# KiCad board PiEEG.kicad_pcb (continued)
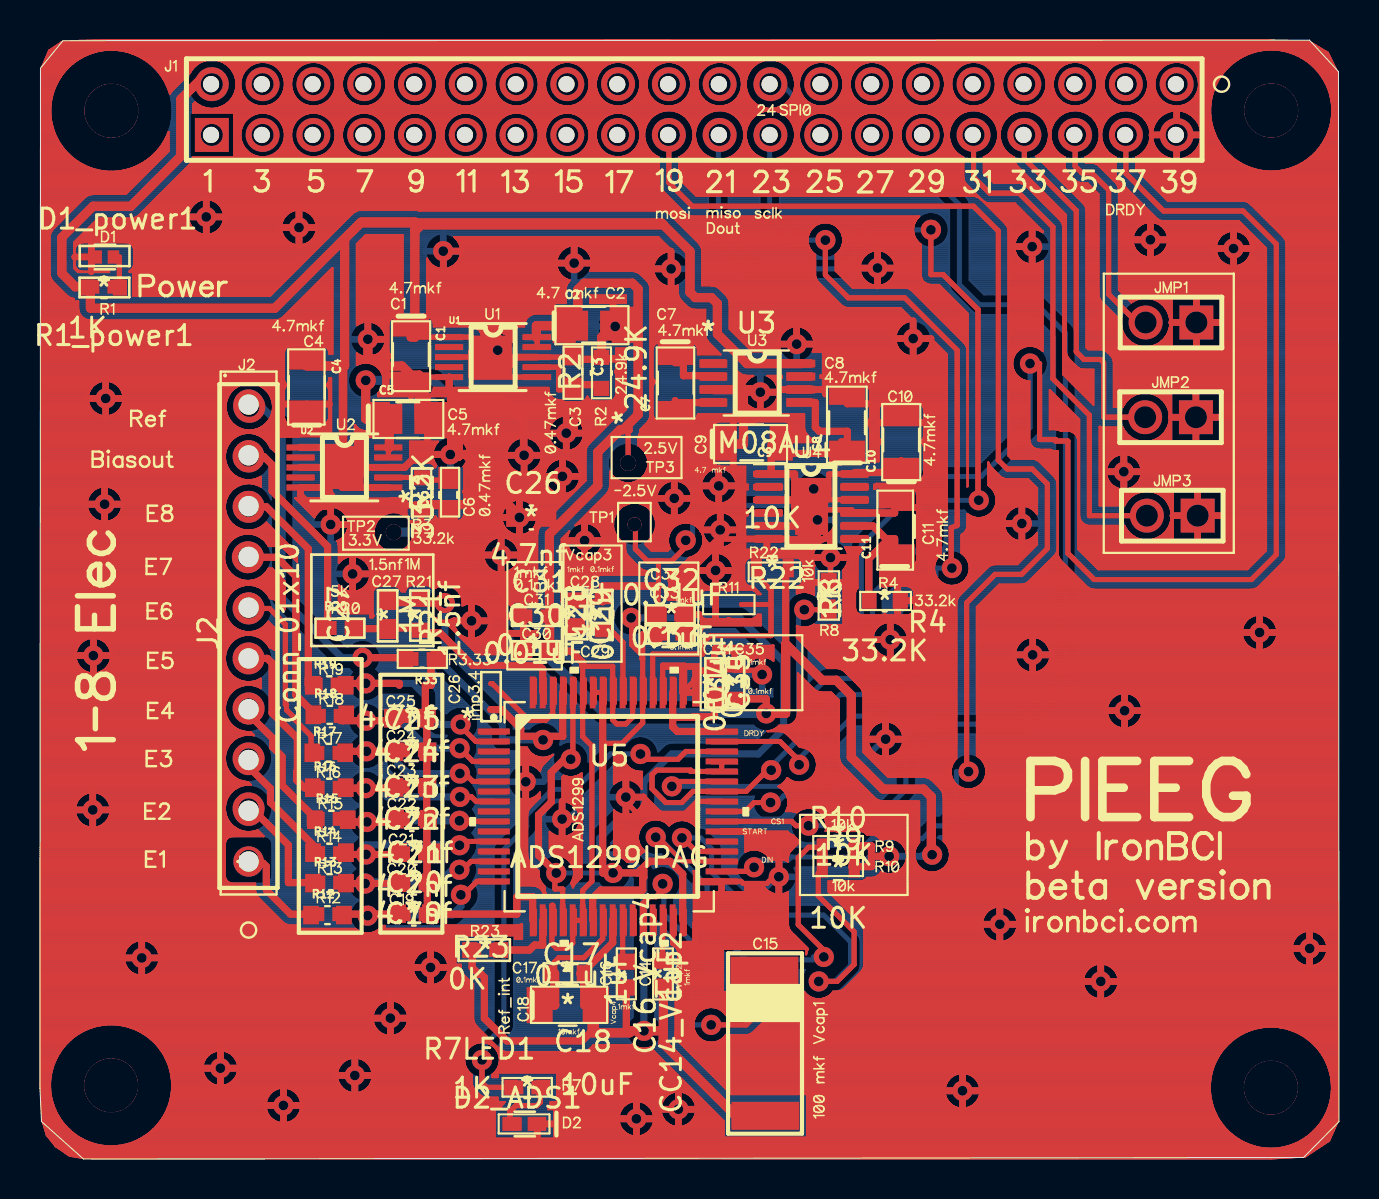
[diagram p0: board, top side]
## Routing (per net, layer and track width the routed paths; a pad name or vN(x,y) marks a point on that pad's centre or on a via; arc(x,y) is an arc through that point) (continued)
45.74,4.21 ; 45.68,4.18 45.74,4.21 ; 10.5,23.73 10.4,23.73 ; 10.5,23.73 10.4,23.73 ; 10.98,33.68 11.05,33.64 ; 10.98,33.68 10.89,33.72 ; 10.98,33.68 11.05,33.64 ; 10.98,33.68 10.89,33.72 ; 11.05,33.64 11.05,34.13 ; 11.05,33.64 11.05,34.13 ; 26.08,50.16 25.98,50.19 ; 26.08,50.16 25.98,50.19 ; 9.71,25.98 9.79,26.04 ; 9.71,25.98 9.79,26.04 ; 14.89,32.57 14.95,32.54 ; 14.89,32.57 14.82,32.59 ; 14.89,32.57 14.95,32.54 ; 14.89,32.57 14.82,32.59 ; 37.42,52.92 37.49,52.99 ; 37.42,52.92 37.49,52.99 ; 46.96,3.06 46.99,3.13 ; 46.96,3.06 46.99,3.13 ; 1.08,55.87 0.46,55.46 ; 1.08,55.87 0.46,55.46 ; 49.06,44.96 49,45.01 ; 49.06,44.96 49,45.01 ; 46.4,52.7 46.3,52.73 ; 46.4,52.7 46.5,52.68 ; 46.4,52.7 46.3,52.73 ; 46.4,52.7 46.5,52.68 ; 46.3,52.73 46.21,52.77 ; 46.3,52.73 46.21,52.77 ; 33.33,28.48 33.92,28.48 ; 33.33,28.48 33.92,28.48 ; 33.33,28.48 33.29,28.48 ; 33.33,28.48 33.29,28.48 ; 33.92,28.48 34.27,28.48 ; 33.92,28.48 34.27,28.48 ; 38.07,20.61 38.12,20.61 ; 38.07,20.61 38.12,20.61 ; 38.12,20.61 38.17,20.6 ; 38.12,20.61 38.17,20.6 ; 30.72,44.81 30.74,44.87 ; 30.72,44.81 30.7,44.74 ; 30.72,44.81 30.7,44.74 ; 30.72,44.81 30.74,44.87 ; 30.74,44.87 30.77,44.94 ; 30.74,44.87 30.77,44.94 ; 15.11,51.08 15.1,51.18 ; 15.11,51.08 15.13,50.99 ; 15.11,51.08 15.1,51.18 ; 15.11,51.08 15.13,50.99 ; 15.1,51.18 15.1,51.28 ; 15.1,51.18 15.1,51.28 ; 14.41,54.61 14.48,54.54 ; 14.41,54.61 14.48,54.54 ; 14.41,54.61 14.33,54.67 ; 14.41,54.61 14.33,54.67 ; 14.48,54.54 14.55,54.47 ; 14.48,54.54 14.55,54.47 ; 17.64,51.18 17.65,51.08 ; 17.64,51.18 17.65,51.08 ; 24.85,35.84 24.9,35.78 ; 24.85,35.84 24.8,35.88 ; 24.85,35.84 24.8,35.88 ; 24.85,35.84 24.9,35.78 ; 24.9,35.78 24.94,35.73 ; 24.9,35.78 24.94,35.73 ; 42.06,37.76 42.09,37.79 ; 42.06,37.76 42.09,37.79 ; 53.32,34.39 53.32,34.46 ; 53.32,34.39 53.32,34.32 ; 53.32,34.39 53.32,34.32 ; 53.32,34.39 53.32,34.46 ; 53.32,34.46 53.33,34.53 ; 53.32,34.46 53.33,34.53 ; 27.46,54.02 27.48,53.92 ; 27.46,54.02 27.44,54.12 ; 27.46,54.02 27.48,53.92 ; 27.46,54.02 27.44,54.12 ; 27.48,53.92 27.49,53.82 ; 27.48,53.92 27.49,53.82 ; 48.77,12.21 48.81,12.14 ; 48.77,12.21 48.81,12.14 ; 48.77,12.21 48.73,12.26 ; 48.77,12.21 48.73,12.26 ; 48.81,12.14 48.83,12.08 ; 48.81,12.14 48.83,12.08 ; 35.62,40.4 34.5,41.53 ; 35.62,40.4 34.5,41.53 ; 4.24,10.34 4.27,10.41 ; 4.24,10.34 4.27,10.41 ; 4.27,10.41 4.3,10.47 ; 4.27,10.41 4.3,10.47 ; 8.33,54.98 8.43,55 ; 8.33,54.98 8.43,55 ; 8.33,54.98 8.24,54.95 ; 8.33,54.98 8.24,54.95 ; 8.43,55 8.53,55.01 ; 8.43,55 8.53,55.01 ; 37.11,39.18 36.38,39.18 ; 37.11,39.18 37.11,39.08 ; 37.11,39.18 37.11,39.08 ; 37.11,39.18 36.38,39.18 ; 58.73,2.45 58.67,2.6 ; 58.73,2.45 58.67,2.6 ; 58.73,2.45 58.78,2.32 ; 58.73,2.45 58.78,2.32 ; 14.95,3.78 14.92,3.85 ; 14.95,3.78 14.92,3.85 ; 14.95,3.78 14.98,3.72 ; 14.95,3.78 14.98,3.72 ; 14.92,3.85 14.9,3.91 ; 14.92,3.85 14.9,3.91 ; 19.82,10.43 19.89,10.41 ; 19.82,10.43 19.89,10.41 ; 1.74,44.73 1.75,44.69 ; 1.74,44.73 1.75,44.69 ; 12.23,38.88 12.21,38.93 ; 12.23,38.88 12.26,38.82 ; 12.23,38.88 12.21,38.93 ; 12.23,38.88 12.26,38.82 ; 12.21,38.93 12.2,38.99 ; 12.21,38.93 12.2,38.99 ; 62.22,6.55 62.37,6.52 ; 62.22,6.55 62.37,6.52 ; 9.31,27.92 9.35,28.01 ; 9.31,27.92 9.35,28.01 ; 9.31,27.92 9.28,27.82 ; 9.31,27.92 9.28,27.82 ; 9.35,28.01 9.39,28.1 ; 9.35,28.01 9.39,28.1 ; 3.22,45.81 3.27,45.83 ; 3.22,45.81 3.2,45.82 ; 3.22,45.81 3.27,45.83 ; 3.22,45.81 3.2,45.82 ; 3.27,45.83 3.33,45.85 ; 3.27,45.83 3.33,45.85 ; 44.3,43.81 44.27,43.83 ; 44.3,43.81 44.33,43.79 ; 44.3,43.81 44.33,43.79 ; 44.3,43.81 44.27,43.83 ; 26.46,35.43 26.39,35.43 ; 26.46,35.43 26.39,35.43 ; 21.78,52.77 21.69,52.73 ; 21.78,52.77 21.69,52.73 ; 21.78,52.77 21.87,52.82 ; 21.78,52.77 21.87,52.82 ; 21.69,52.73 21.59,52.7 ; 21.69,52.73 21.59,52.7 ; 14.27,32.6 14.34,32.61 ; 14.27,32.6 14.34,32.61 ; 8.14,54.92 8.24,54.95 ; 8.14,54.92 8.24,54.95 ; 35.6,52.04 35.67,52.11 ; 35.6,52.04 35.54,51.96 ; 35.6,52.04 35.54,51.96 ; 35.6,52.04 35.67,52.11 ; 35.67,52.11 35.74,52.18 ; 35.67,52.11 35.74,52.18 ; 55.48,51.63 55.51,51.53 ; 55.48,51.63 55.45,51.72 ; 55.48,51.63 55.51,51.53 ; 55.48,51.63 55.45,51.72 ; 21.67,7.09 21.67,8.76 ; 21.67,7.09 21.67,8.76 ; 37.69,50.79 37.65,50.7 ; 37.69,50.79 37.72,50.89 ; 37.69,50.79 37.72,50.89 ; 37.69,50.79 37.65,50.7 ; 37.65,50.7 37.6,50.61 ; 37.65,50.7 37.6,50.61 ; 37.34,21.28 37.31,21.3 ; 37.34,21.28 37.31,21.3 ; 61.36,0.52 61.21,0.54 ; 61.36,0.52 61.21,0.54 ; 61.36,0.52 61.51,0.52 ; 61.36,0.52 61.51,0.52 ; 61.21,0.54 61.07,0.56 ; 61.21,0.54 61.07,0.56 ; 22.7,4.29 22.67,4.26 ; 22.7,4.29 22.67,4.26 ; 12.94,50.4 12.87,50.46 ; 12.94,50.4 12.87,50.46 ; 12.94,50.4 13.02,50.33 ; 12.94,50.4 13.02,50.33 ; 12.87,50.46 12.8,50.54 ; 12.87,50.46 12.8,50.54 ; 19.47,31.88 19.43,31.88 ; 19.47,31.88 19.43,31.88 ; 19.47,31.88 19.51,31.89 ; 19.47,31.88 19.51,31.89 ; 19.43,31.88 18.83,31.88 ; 19.43,31.88 18.83,31.88 ; 24.15,36.1 24.22,36.1 ; 24.15,36.1 24.22,36.1 ; 33.04,23.82 33.02,23.85 ; 33.04,23.82 33.06,23.78 ; 33.04,23.82 33.06,23.78 ; 33.04,23.82 33.02,23.85 ; 33.02,23.85 33.01,23.89 ; 33.02,23.85 33.01,23.89 ; 43.38,33.87 43.34,33.85 ; 43.38,33.87 43.42,33.9 ; 43.38,33.87 43.34,33.85 ; 43.38,33.87 43.42,33.9 ; 43.34,33.85 43.3,33.83 ; 43.34,33.85 43.3,33.83 ; 8.74,3.7 8.81,3.68 ; 8.74,3.7 8.81,3.68 ; 61.34,55.5 61.49,55.51 ; 61.34,55.5 61.49,55.51 ; 46.01,4.29 46.08,4.3 ; 46.01,4.29 46.08,4.3 ; 46.08,4.3 46.15,4.3 ; 46.08,4.3 46.15,4.3 ; 25.46,36.53 25.48,36.6 ; 25.46,36.53 25.44,36.46 ; 25.46,36.53 25.48,36.6 ; 25.46,36.53 25.44,36.46 ; 25.48,36.6 25.5,36.66 ; 25.48,36.6 25.5,36.66 ; 33.85,36.87 33.89,36.88 ; 33.85,36.87 33.89,36.88 ; 20.9,54.82 21,54.85 ; 20.9,54.82 20.81,54.78 ; 20.9,54.82 20.81,54.78 ; 20.9,54.82 21,54.85 ; 21,54.85 21.1,54.87 ; 21,54.85 21.1,54.87 ; 49.79,35.01 49.83,35 ; 49.79,35.01 49.76,35.02 ; 49.79,35.01 49.76,35.02 ; 49.79,35.01 49.83,35 ; 49.83,35 49.87,34.98 ; 49.83,35 49.87,34.98 ; 26.48,54.88 26.57,54.87 ; 26.48,54.88 26.38,54.89 ; 26.48,54.88 26.38,54.89 ; 26.48,54.88 26.57,54.87 ; 26.57,54.87 26.67,54.85 ; 26.57,54.87 26.67,54.85 ; 44.08,35.88 44.12,35.83 ; 44.08,35.88 44.12,35.83 ; 52.53,8.17 52.47,8.21 ; 52.53,8.17 52.59,8.13 ; 52.53,8.17 52.47,8.21 ; 52.53,8.17 52.59,8.13 ; 52.47,8.21 52.42,8.26 ; 52.47,8.21 52.42,8.26 ; 45.22,54.12 45.24,54.02 ; 45.22,54.12 45.24,54.02 ; 9.31,15.97 9.34,16.02 ; 9.31,15.97 9.28,15.91 ; 9.31,15.97 9.34,16.02 ; 9.31,15.97 9.28,15.91 ; 9.34,16.02 9.38,16.06 ; 9.34,16.02 9.38,16.06 ; 39.57,23.34 39.12,23.34 ; 39.57,23.34 39.12,23.34 ; 32.97,28.16 32.98,28.2 ; 32.97,28.16 32.96,28.12 ; 32.97,28.16 32.96,28.12 ; 32.97,28.16 32.98,28.2 ; 32.98,28.2 32.99,28.24 ; 32.98,28.2 32.99,28.24 ; 56.21,52.28 56.27,52.32 ; 56.21,52.28 56.27,52.32 ; 56.27,52.32 56.35,52.36 ; 56.27,52.32 56.35,52.36 ; 43.68,46.59 43.69,46.64 ; 43.68,46.59 43.67,46.54 ; 43.68,46.59 43.67,46.54 ; 43.68,46.59 43.69,46.64 ; 37.68,17.4 37.72,17.39 ; 37.68,17.4 37.72,17.39 ; 37.72,17.39 37.76,17.38 ; 37.72,17.39 37.76,17.38 ; 17.01,40.36 16.96,40.32 ; 17.01,40.36 17.06,40.41 ; 17.01,40.36 17.06,40.41 ; 17.01,40.36 16.96,40.32 ; 16.96,40.32 16.9,40.27 ; 16.96,40.32 16.9,40.27 ; 26.7,14.46 26.69,14.51 ; 26.7,14.46 26.69,14.51 ; 32.52,32.64 32.48,32.58 ; 32.52,32.64 32.55,32.7 ; 32.52,32.64 32.48,32.58 ; 32.52,32.64 32.55,32.7 ; 32.48,32.58 32.44,32.52 ; 32.48,32.58 32.44,32.52 ; 39.88,52 39.95,51.93 ; 39.88,52 39.95,51.93 ; 53.46,22.84 53.49,22.9 ; 53.46,22.84 53.49,22.9 ; 53.46,22.84 53.43,22.78 ; 53.46,22.84 53.43,22.78 ; 53.49,22.9 53.53,22.96 ; 53.49,22.9 53.53,22.96 ; 21.66,27.81 21.59,27.81 ; 21.66,27.81 21.59,27.81 ; 59.17,1.68 59.08,1.8 ; 59.17,1.68 59.27,1.56 ; 59.17,1.68 59.27,1.56 ; 59.17,1.68 59.08,1.8 ; 59.08,1.8 59,1.92 ; 59.08,1.8 59,1.92 ; 37.09,18.73 37.05,18.7 ; 37.09,18.73 37.05,18.7 ; 37.09,18.73 37.13,18.76 ; 37.09,18.73 37.13,18.76 ; 37.05,18.7 37.01,18.67 ; 37.05,18.7 37.01,18.67 ; 25.5,36.66 25.53,36.73 ; 25.5,36.66 25.53,36.73 ; 25.53,36.73 25.57,36.79 ; 25.53,36.73 25.57,36.79 ; 34.48,30.71 34.54,30.75 ; 34.48,30.71 34.54,30.75 ; 19.64,35.23 19.64,35.3 ; 19.64,35.23 19.64,35.16 ; 19.64,35.23 19.64,35.3 ; 19.64,35.23 19.64,35.16 ; 19.64,35.3 19.64,35.37 ; 19.64,35.3 19.64,35.37 ; 15.75,35.6 15.75,35.55 ; 15.75,35.6 15.75,35.55 ; 11.33,2.96 11.36,3.03 ; 11.33,2.96 11.31,2.9 ; 11.33,2.96 11.31,2.9 ; 11.33,2.96 11.36,3.03 ; 11.36,3.03 11.39,3.09 ; 11.36,3.03 11.39,3.09 ; 54.16,41.39 54.12,41.48 ; 54.16,41.39 54.12,41.48 ; 54.16,41.39 54.2,41.3 ; 54.16,41.39 54.2,41.3 ; 54.12,41.48 54.1,41.58 ; 54.12,41.48 54.1,41.58 ; 15.68,30.16 15.75,30.16 ; 15.68,30.16 15.75,30.16 ; 15.68,30.16 15.61,30.16 ; 15.68,30.16 15.61,30.16 ; 15.75,30.16 15.82,30.14 ; 15.75,30.16 15.82,30.14 ; 1.69,1.27 1.58,1.36 ; 1.69,1.27 1.81,1.18 ; 1.69,1.27 1.81,1.18 ; 1.69,1.27 1.58,1.36 ; 1.58,1.36 1.46,1.46 ; 1.58,1.36 1.46,1.46 ; 63.85,11.36 63.92,11.33 ; 63.85,11.36 63.92,11.33 ; 63.92,11.33 63.98,11.29 ; 63.92,11.33 63.98,11.29 ; 27.43,53.43 27.4,53.34 ; 27.43,53.43 27.4,53.34 ; 27.43,53.43 27.46,53.53 ; 27.43,53.43 27.46,53.53 ; 27.4,53.34 27.36,53.25 ; 27.4,53.34 27.36,53.25 ; 18.01,28.54 18.05,28.49 ; 18.01,28.54 17.97,28.58 ; 18.01,28.54 17.97,28.58 ; 18.01,28.54 18.05,28.49 ; 18.05,28.49 18.07,28.43 ; 18.05,28.49 18.07,28.43 ; 30.2,16.77 30.17,16.73 ; 30.2,16.77 30.17,16.73 ; 10.78,36.49 10.68,36.47 ; 10.78,36.49 10.87,36.52 ; 10.78,36.49 10.68,36.47 ; 10.78,36.49 10.87,36.52 ; 10.68,36.47 10.58,36.45 ; 10.68,36.47 10.58,36.45 ; 11.96,1.82 12.03,1.8 ; 11.96,1.82 12.03,1.8 ; 22.62,41.31 22.68,41.33 ; 22.62,41.31 22.55,41.29 ; 22.62,41.31 22.55,41.29 ; 22.62,41.31 22.68,41.33 ; 22.68,41.33 22.75,41.35 ; 22.68,41.33 22.75,41.35 ; 23.28,39.66 23.22,39.63 ; 23.28,39.66 23.22,39.63 ; 23.28,39.66 23.35,39.7 ; 23.28,39.66 23.35,39.7 ; 23.22,39.63 23.2,39.63 ; 23.22,39.63 23.2,39.63 ; 21.38,27.79 21.45,27.81 ; 21.38,27.79 21.32,27.77 ; 21.38,27.79 21.45,27.81 ; 21.38,27.79 21.32,27.77 ; 21.45,27.81 21.52,27.81 ; 21.45,27.81 21.52,27.81 ; 33.12,45.46 33.12,45.36 ; 33.12,45.46 33.12,45.36 ; 47.44,34.85 47.43,34.85 ; 47.44,34.85 47.43,34.85 ; 47.43,34.85 47.43,33.71 ; 47.43,34.85 47.43,33.71 ; 14.38,40.57 14.41,40.52 ; 14.38,40.57 14.41,40.52 ; 14.41,40.52 14.44,40.47 ; 14.41,40.52 14.44,40.47 ; 32.8,2.27 32.81,2.34 ; 32.8,2.27 32.81,2.34 ; 45.71,28.68 45.66,28.67 ; 45.71,28.68 45.76,28.69 ; 45.71,28.68 45.66,28.67 ; 45.71,28.68 45.76,28.69 ; 45.66,28.67 45.61,28.67 ; 45.66,28.67 45.61,28.67 ; 1.81,1.18 1.94,1.1 ; 1.81,1.18 1.94,1.1 ; 31.04,32.48 31,32.54 ; 31.04,32.48 31,32.54 ; 31.04,32.48 31.09,32.43 ; 31.04,32.48 31.09,32.43 ; 31,32.54 30.96,32.6 ; 31,32.54 30.96,32.6 ; 33,29.86 33.03,29.92 ; 33,29.86 32.97,29.79 ; 33,29.86 32.97,29.79 ; 33,29.86 33.03,29.92 ; 33.03,29.92 33.07,29.98 ; 33.03,29.92 33.07,29.98 ; 23.18,52.14 23.26,52.19 ; 23.18,52.14 23.1,52.07 ; 23.18,52.14 23.1,52.07 ; 23.18,52.14 23.26,52.19 ; 23.26,52.19 23.35,52.24 ; 23.26,52.19 23.35,52.24 ; 1.88,17.94 1.92,18 ; 1.88,17.94 1.92,18 ; 1.92,18 1.97,18.05 ; 1.92,18 1.97,18.05 ; 62.83,0.79 62.69,0.73 ; 62.83,0.79 62.69,0.73 ; 38.83,19.98 38.84,19.93 ; 38.83,19.98 38.84,19.93 ; 34.91,31.54 34.92,31.47 ; 34.91,31.54 34.92,31.47 ; 34.92,31.47 34.92,31.46 ; 34.92,31.47 34.92,31.46 ; 9.49,19.33 9.43,19.41 ; 9.49,19.33 9.56,19.25 ; 9.49,19.33 9.56,19.25 ; 9.49,19.33 9.43,19.41 ; 9.43,19.41 9.38,19.5 ; 9.43,19.41 9.38,19.5 ; 48.48,12.5 48.54,12.46 ; 48.48,12.5 48.42,12.54 ; 48.48,12.5 48.54,12.46 ; 48.48,12.5 48.42,12.54 ; 48.54,12.46 48.59,12.42 ; 48.54,12.46 48.59,12.42 ; 9.81,53.57 9.79,53.48 ; 9.81,53.57 9.83,53.67 ; 9.81,53.57 9.79,53.48 ; 9.81,53.57 9.83,53.67 ; 22.18,30.16 22.17,30.23 ; 22.18,30.16 22.18,30.09 ; 22.18,30.16 22.18,30.09 ; 22.18,30.16 22.17,30.23 ; 22.17,30.23 22.18,30.3 ; 22.17,30.23 22.18,30.3 ; 28.89,17.31 28.83,17.35 ; 28.89,17.31 28.96,17.28 ; 28.89,17.31 28.96,17.28 ; 28.89,17.31 28.83,17.35 ; 28.83,17.35 28.77,17.39 ; 28.83,17.35 28.77,17.39 ; 44.74,29.36 44.73,29.41 ; 44.74,29.36 44.73,29.41 ; 44.73,29.41 44.73,29.46 ; 44.73,29.41 44.73,29.46 ; 24.53,20.34 24.5,20.37 ; 24.53,20.34 24.5,20.37 ; 24.53,20.34 24.57,20.3 ; 24.53,20.34 24.57,20.3 ; 24.5,20.37 24.47,20.41 ; 24.5,20.37 24.47,20.41 ; 8.3,4.03 8.26,4.09 ; 8.3,4.03 8.26,4.09 ; 42.07,17.9 42.03,17.91 ; 42.07,17.9 42.12,17.9 ; 42.07,17.9 42.03,17.91 ; 42.07,17.9 42.12,17.9 ; 45.86,2.57 45.93,2.55 ; 45.86,2.57 45.93,2.55 ; 12.39,40.65 12.44,40.68 ; 12.39,40.65 12.34,40.61 ; 12.39,40.65 12.44,40.68 ; 12.39,40.65 12.34,40.61 ; 12.44,40.68 12.5,40.7 ; 12.44,40.68 12.5,40.7 ; 32.91,13.36 32.91,14.41 ; 32.91,13.36 35.28,13.36 ; 32.91,13.36 35.28,13.36 ; 32.91,13.36 32.91,14.41 ; 42.07,15.97 42.08,15.95 ; 42.07,15.97 42.04,16 ; 42.07,15.97 42.08,15.95 ; 42.07,15.97 42.04,16 ; 42.08,15.95 42.13,15.97 ; 42.08,15.95 42.13,15.97 ; 51.89,36.12 51.9,36.08 ; 51.89,36.12 51.9,36.08 ; 51.89,36.12 51.87,36.15 ; 51.89,36.12 51.87,36.15 ; 51.9,36.08 51.91,36.04 ; 51.9,36.08 51.91,36.04 ; 8.63,52.54 8.53,52.54 ; 8.63,52.54 8.73,52.55 ; 8.63,52.54 8.53,52.54 ; 8.63,52.54 8.73,52.55 ; 34.67,33.14 34.62,33.09 ; 34.67,33.14 34.71,33.2 ; 34.67,33.14 34.62,33.09 ; 34.67,33.14 34.71,33.2 ; 37.9,22.2 37.89,22.15 ; 37.9,22.2 37.89,22.15 ; 37.89,22.15 37.88,22.1 ; 37.89,22.15 37.88,22.1 ; 20.78,11.19 23.75,11.19 ; 20.78,11.19 20.78,9.72 ; 20.78,11.19 20.78,9.72 ; 20.78,11.19 23.75,11.19 ; 23.75,11.19 23.75,11.02 ; 23.75,11.19 23.75,11.02 ; 51.91,48.86 51.88,48.88 ; 51.91,48.86 51.88,48.88 ; 51.88,48.88 51.84,48.9 ; 51.88,48.88 51.84,48.9 ; 10.33,54.54 10.4,54.61 ; 10.33,54.54 10.4,54.61 ; 23.26,54.73 23.35,54.78 ; 23.26,54.73 23.18,54.68 ; 23.26,54.73 23.18,54.68 ; 23.26,54.73 23.35,54.78 ; 23.35,54.78 23.44,54.82 ; 23.35,54.78 23.44,54.82 ; 46.33,31.46 46.35,31.5 ; 46.33,31.46 46.35,31.5 ; 44.72,14.34 44.67,14.33 ; 44.72,14.34 44.77,14.35 ; 44.72,14.34 44.67,14.33 ; 44.72,14.34 44.77,14.35 ; 44.67,14.33 44.62,14.33 ; 44.67,14.33 44.62,14.33 ; 25.84,44.97 25.83,44.9 ; 25.84,44.97 25.83,44.9 ; 27.44,28.61 27.39,28.65 ; 27.44,28.61 27.39,28.65 ; 36.88,38.62 36.9,38.56 ; 36.88,38.62 36.9,38.56 ; 36.9,38.56 36.91,38.49 ; 36.9,38.56 36.91,38.49 ; 28.11,54.54 28.04,54.47 ; 28.11,54.54 28.04,54.47 ; 28.71,17.44 28.71,15.2 ; 28.71,17.44 28.71,15.2 ; 28.71,17.44 28.72,17.43 ; 28.71,17.44 28.72,17.43 ; 28.71,15.2 28.76,15.2 ; 28.71,15.2 28.76,15.2 ; 40.83,28.48 40.86,28.53 ; 40.83,28.48 40.8,28.43 ; 40.83,28.48 40.8,28.43 ; 40.83,28.48 40.86,28.53 ; 40.86,28.53 40.88,28.56 ; 40.86,28.53 40.88,28.56 ; 18.27,52.24 18.36,52.28 ; 18.27,52.24 18.18,52.19 ; 18.27,52.24 18.36,52.28 ; 18.27,52.24 18.18,52.19 ; 18.36,52.28 18.46,52.31 ; 18.36,52.28 18.46,52.31 ; 16.23,41.89 16.3,41.9 ; 16.23,41.89 16.3,41.9 ; 16.23,41.89 16.16,41.87 ; 16.23,41.89 16.16,41.87 ; 41.04,54.73 41.13,54.78 ; 41.04,54.73 40.96,54.68 ; 41.04,54.73 40.96,54.68 ; 41.04,54.73 41.13,54.78 ; 41.13,54.78 41.22,54.82 ; 41.13,54.78 41.22,54.82 ; 20.07,10.3 20.12,10.26 ; 20.07,10.3 20.12,10.26 ; 20.07,10.3 20.01,10.34 ; 20.07,10.3 20.01,10.34 ; 9.42,37.08 9.38,37.17 ; 9.42,37.08 9.38,37.17 ; 23.35,52.24 23.44,52.28 ; 23.35,52.24 23.44,52.28 ; 23.44,52.28 23.54,52.31 ; 23.44,52.28 23.54,52.31 ; 14.7,33.23 14.67,33.27 ; 14.7,33.23 14.67,33.27 ; 31.79,32.16 31.72,32.16 ; 31.79,32.16 31.72,32.16 ; 31.56,54.88 31.65,54.87 ; 31.56,54.88 31.65,54.87 ; 31.56,54.88 31.46,54.89 ; 31.56,54.88 31.46,54.89 ; 31.65,54.87 31.75,54.85 ; 31.65,54.87 31.75,54.85 ; 56.46,54.82 56.56,54.85 ; 56.46,54.82 56.56,54.85 ; 56.46,54.82 56.37,54.78 ; 56.46,54.82 56.37,54.78 ; 56.56,54.85 56.66,54.87 ; 56.56,54.85 56.66,54.87 ; 41.22,11.49 41.23,11.45 ; 41.22,11.49 41.21,11.53 ; 41.22,11.49 41.21,11.53 ; 41.22,11.49 41.23,11.45 ; 41.23,11.45 41.23,11.41 ; 41.23,11.45 41.23,11.41 ; 40.59,54.21 40.63,54.3 ; 40.59,54.21 40.63,54.3 ; 42.42,54.54 42.49,54.47 ; 42.42,54.54 42.35,54.61 ; 42.42,54.54 42.35,54.61 ; 42.42,54.54 42.49,54.47 ; 42.49,54.47 42.55,54.39 ; 42.49,54.47 42.55,54.39 ; 25.1,35.34 25.08,35.41 ; 25.1,35.34 25.08,35.41 ; 4.7,44.75 4.69,44.69 ; 4.7,44.75 4.69,44.69 ; 4.7,44.75 4.7,45.38 ; 4.7,44.75 4.7,45.38 ; 4.69,44.69 4.67,44.63 ; 4.69,44.69 4.67,44.63 ; 2.2,24.43 2.14,24.47 ; 2.2,24.43 2.26,24.4 ; 2.2,24.43 2.26,24.4 ; 2.2,24.43 2.14,24.47 ; 2.14,24.47 2.08,24.51 ; 2.14,24.47 2.08,24.51 ; 9.73,54.26 9.68,54.35 ; 9.73,54.26 9.68,54.35 ; 26.18,28.54 26.22,28.59 ; 26.18,28.54 26.22,28.59 ; 26.18,28.54 26.15,28.49 ; 26.18,28.54 26.15,28.49 ; 26.22,28.59 26.26,28.63 ; 26.22,28.59 26.26,28.63 ; 4.12,32.68 4.12,32.75 ; 4.12,32.68 4.12,32.75 ; 44.03,40.23 43.96,40.2 ; 44.03,40.23 44.09,40.26 ; 44.03,40.23 43.96,40.2 ; 44.03,40.23 44.09,40.26 ; 43.96,40.2 43.89,40.18 ; 43.96,40.2 43.89,40.18 ; 22.32,51.67 22.28,51.76 ; 22.32,51.67 22.28,51.76 ; 38.03,26.61 37.98,26.62 ; 38.03,26.61 38.08,26.6 ; 38.03,26.61 38.08,26.6 ; 38.03,26.61 37.98,26.62 ; 37.98,26.62 37.94,26.64 ; 37.98,26.62 37.94,26.64 ; 38.5,46.4 38.53,46.44 ; 38.5,46.4 38.53,46.44 ; 9.74,34.18 9.66,34.25 ; 9.74,34.18 9.82,34.13 ; 9.74,34.18 9.82,34.13 ; 9.74,34.18 9.66,34.25 ; 55.64,51.05 55.63,51.13 ; 55.64,51.05 55.65,50.97 ; 55.64,51.05 55.63,51.13 ; 55.64,51.05 55.65,50.97 ; 55.63,51.13 55.62,51.21 ; 55.63,51.13 55.62,51.21 ; 42.2,28.64 42.23,28.63 ; 42.2,28.64 42.14,28.66 ; 42.2,28.64 42.14,28.66 ; 42.2,28.64 42.23,28.63 ; 42.23,28.63 42.26,28.61 ; 42.23,28.63 42.26,28.61 ; 49.04,40.55 49.09,40.58 ; 49.04,40.55 49,40.52 ; 49.04,40.55 49.09,40.58 ; 49.04,40.55 49,40.52 ; 49.09,40.58 49.13,40.6 ; 49.09,40.58 49.13,40.6 ; 29.7,19.44 29.65,19.46 ; 29.7,19.44 29.74,19.42 ; 29.7,19.44 29.65,19.46 ; 29.7,19.44 29.74,19.42 ; 29.65,19.46 29.6,19.48 ; 29.65,19.46 29.6,19.48 ; 18.89,47.47 18.94,47.46 ; 18.89,47.47 18.84,47.48 ; 18.89,47.47 18.94,47.46 ; 18.89,47.47 18.84,47.48 ; 24.04,31.21 23.97,31.21 ; 24.04,31.21 24.11,31.22 ; 24.04,31.21 23.97,31.21 ; 24.04,31.21 24.11,31.22 ; 23.97,31.21 23.9,31.21 ; 23.97,31.21 23.9,31.21 ; 43.26,43.6 43.3,43.6 ; 43.26,43.6 43.3,43.6 ; 48.73,45.63 48.74,45.7 ; 48.73,45.63 48.74,45.7 ; 48.73,45.63 48.74,45.56 ; 48.73,45.63 48.74,45.56 ; 48.74,45.7 48.74,45.77 ; 48.74,45.7 48.74,45.77 ; 11.45,25.65 11.48,25.6 ; 11.45,25.65 11.48,25.6 ; 11.48,25.6 11.55,25.58 ; 11.48,25.6 11.55,25.58 ; 43.23,15.62 43.25,15.58 ; 43.23,15.62 43.25,15.58 ; 38.66,26.7 38.62,26.68 ; 38.66,26.7 38.72,26.74 ; 38.66,26.7 38.72,26.74 ; 38.66,26.7 38.62,26.68 ; 38.62,26.68 38.57,26.66 ; 38.62,26.68 38.57,26.66 ; 17.38,6.17 17.31,6.18 ; 17.38,6.17 17.31,6.18 ; 40.15,24.47 40.19,24.45 ; 40.15,24.47 40.1,24.5 ; 40.15,24.47 40.19,24.45 ; 40.15,24.47 40.1,24.5 ; 40.19,24.45 40.22,24.42 ; 40.19,24.45 40.22,24.42 ; 33.16,30.71 33.14,30.66 ; 33.16,30.71 33.17,30.75 ; 33.16,30.71 33.17,30.75 ; 33.16,30.71 33.14,30.66 ; 33.14,30.66 33.12,30.61 ; 33.14,30.66 33.12,30.61 ; 33.06,33.75 33.07,33.82 ; 33.06,33.75 33.07,33.82 ; 33.06,33.75 33.06,33.68 ; 33.06,33.75 33.06,33.68 ; 31.45,28.45 31.44,28.42 ; 31.45,28.45 31.47,28.5 ; 31.45,28.45 31.44,28.42 ; 31.45,28.45 31.47,28.5 ; 31.44,28.42 31.42,27.97 ; 31.44,28.42 31.42,27.97 ; 12.25,28.91 11.61,29.55 ; 12.25,28.91 11.61,29.55 ; 27.99,54.39 28.04,54.47 ; 27.99,54.39 28.04,54.47 ; 27.99,54.39 27.93,54.3 ; 27.99,54.39 27.93,54.3 ; 49.05,39.04 49.09,39.02 ; 49.05,39.04 49.09,39.02 ; 23.42,34.81 23.39,34.87 ; 23.42,34.81 23.45,34.75 ; 23.42,34.81 23.39,34.87 ; 23.42,34.81 23.45,34.75 ; 23.39,34.87 23.36,34.94 ; 23.39,34.87 23.36,34.94 ; 64.16,1.96 64.24,2.09 ; 64.16,1.96 64.24,2.09 ; 6.13,5.33 6.21,5.2 ; 6.13,5.33 6.05,5.45 ; 6.13,5.33 6.21,5.2 ; 6.13,5.33 6.05,5.45 ; 6.21,5.2 6.28,5.07 ; 6.21,5.2 6.28,5.07 ; 49.76,40.65 49.81,40.64 ; 49.76,40.65 49.72,40.67 ; 49.76,40.65 49.81,40.64 ; 49.76,40.65 49.72,40.67 ; 49.81,40.64 49.86,40.62 ; 49.81,40.64 49.86,40.62 ; 36.96,54.93 37.05,54.89 ; 36.96,54.93 36.87,54.96 ; 36.96,54.93 37.05,54.89 ; 36.96,54.93 36.87,54.96 ; 37.05,54.89 37.14,54.85 ; 37.05,54.89 37.14,54.85 ; 58.54,52.21 58.53,52.36 ; 58.54,52.21 58.55,52.06 ; 58.54,52.21 58.53,52.36 ; 58.54,52.21 58.55,52.06 ; 58.53,52.36 58.53,52.51 ; 58.53,52.36 58.53,52.51 ; 62.09,55.47 62.24,55.44 ; 62.09,55.47 61.94,55.49 ; 62.09,55.47 61.94,55.49 ; 62.09,55.47 62.24,55.44 ; 62.24,55.44 62.39,55.4 ; 62.24,55.44 62.39,55.4 ; 15.27,30.09 15.34,30.11 